# KiCad board Sandy_Base.kicad_pcb (continued)
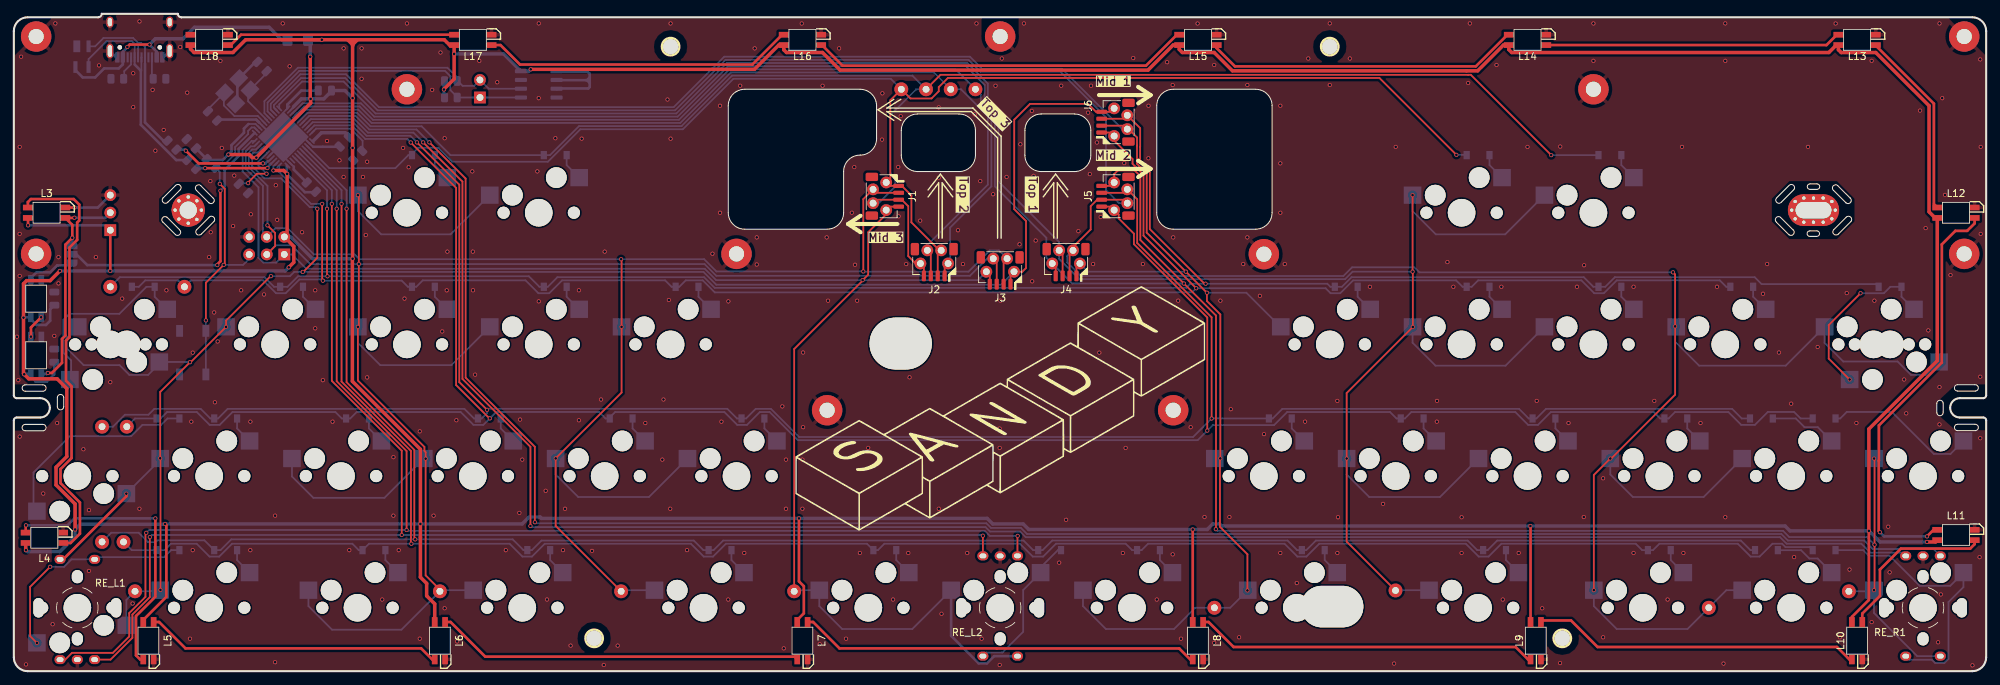
[diagram p0: board, top side]
## Nets
+5V: C1.2 C4.2 C5.2 C7.2 C8.2 C9.2 F1.1 J8.2 J10.1 L1.1 L2.1 L3.1 L4.1 L5.1 L6.1 L7.1 L8.1 L9.1 L10.1 L11.1 L12.1 L13.1 L14.1 L15.1 L16.1 L17.1 L18.1 R5.1 R8.1 R9.1 U1.2 U1.7 U1.14 U1.24 U1.34 U1.44 U2.8
GND: C1.1 C2.2 C3.2 C4.1 C5.1 C6.2 C7.1 C8.1 C9.1 D99.1 H6.1 H7.1 H8.1 H9.1 H10.1 H11.1 H12.1 H13.1 H14.1 H40.1 H41.1 J7.A1 J7.A12 J7.B1 J7.B12 J7.S1 J8.6 J10.3 L1.3 L2.3 L3.3 L4.3 L5.3 L6.3 L7.3 L8.3 L9.3 L10.3 L11.3 L12.3 L13.3 L14.3 L15.3 L16.3 L17.3 L18.3 R1.1 R2.1 R6.1 RE_L1.C RE_L2.C RE_R1.C ResetSW1.1 U1.5 U1.15 U1.23 U1.35 U1.43 U1.45 U2.1 U2.2 U2.3 U2.4 U2.7 Y1.2 Y1.4
VCC: D99.4 F1.2 J7.A4 J7.A9 J7.B4 J7.B9
col5: EXT_C5.1 J4.3 SW_<1.1 SW_I1.1 SW_K1.1 SW_L1.1 SW_M1.1 SW_O1.1 SW_RALT1.25u1.1 U1.22
col6: EXT_C6.1 J4.2 J5.2 SW_;1.1 SW_>1.1 SW_DOWN1.1 SW_ENT1.5u1.1 SW_ENT1.25u1.1 SW_ROPT1.25u1.1 SW_UP1.1 U1.21
D+: R3.1 U1.4
D-: R4.1 U1.3
LED: JP1.2 U1.12
MISO: EXT_C3.1 J1.4 J3.4 J8.1 RE_L2.S1 SW_CenterC1u1.1 SW_CenterL1u2.1 U1.11
MOSI: EXT_C2.1 J1.2 J3.2 J8.4 SW_C1.1 SW_F1.1 SW_LSPC1.5u1.1 SW_V1.1 U1.10
RE_L1_1: EXT_C0.1 J3.1 J6.4 RE_L1.S1 SW_A1.1 SW_CAPS1u1.1 SW_CTL1.5u1.1 SW_CTL1.25u1.1 SW_L2-1u1.1 SW_LSFT1u1.1 SW_LSFT1u2.1 U1.8
RE_L1_2: D27.2 RE_L1.S2 SW_CAPS1u1.2
RE_L2_2: D32.2 SW_CenterL1u2.2
RE_L3_2: D33.2 RE_L2.S2 SW_CenterC1u1.2
RE_L_A: RE_L1.A RE_L2.A U1.39
RE_L_B: RE_L1.B RE_L2.B U1.40
RE_R1_1: EXT_C7.1 J4.4 J5.4 RE_R1.S1 SW_Fn1u1.1 SW_RIGHT1.1 U1.25
RE_R1_2: D39.2 RE_R1.S2 SW_RIGHT1.2
RE_R2_1: EXT_C4.1 J4.1 J6.2 SW_CenterR1u2.1 SW_J1.1 SW_N1.1 SW_RSPC1.5u1.1 U1.20
RE_R2_2: D34.2 SW_CenterR1u2.2
RE_R_A: RE_R1.A U1.29
RE_R_B: RE_R1.B U1.30
RESET: J8.5 R5.2 ResetSW1.2 U1.13
row0: EXT_R0.1 J2.1 U1.26
row1: D1.1 D3.1 EXT_R1.1 J1.1 J2.2 U1.36
row2: D5.1 D7.1 D9.1 D11.1 D13.1 EXT_R2.1 J6.1 U1.1
row3: D15.1 D17.1 D19.1 D22.1 D24.1 D26.1 EXT_R3.1 J5.1 U1.32
row4: D27.1 D29.1 D32.1 D34.1 D37.1 D39.1 EXT_R4.1 U1.38
row5: EXT_R5.1 J2.3 U1.27
row6: D2.1 D4.1 EXT_R6.1 J1.3 J2.4 U1.28
row7: D6.1 D8.1 D10.1 D12.1 D14.1 EXT_R7.1 J6.3 U1.41
row8: D16.1 D18.1 D20.1 D21.1 D23.1 D25.1 EXT_R8.1 J5.3 U1.31
row9: D28.1 D30.1 D31.1 D33.1 D35.1 D36.1 D38.1 EXT_R9.1 U1.37
SCK: EXT_C1.1 J3.3 J8.3 SW_D1.1 SW_E1.1 SW_LALT1.25u1.1 SW_LWIN1.25u1.1 SW_S1.1 SW_W1.1 SW_X1.1 SW_Z1.1 U1.9
SCL: J9.2 R9.2 U1.18 U2.6
SDA: J9.1 R8.2 U1.19 U2.5
Net-(D1-A): D1.2 SW_W1.2
Net-(D2-A): D2.2 SW_E1.2
Net-(D3-A): D3.2 SW_I1.2
Net-(D4-A): D4.2 SW_O1.2
Net-(D5-A): D5.2 SW_CTL1.5u1.2 SW_CTL1.25u1.2
Net-(D6-A): D6.2 SW_A1.2
Net-(D7-A): D7.2 SW_S1.2
Net-(D8-A): D8.2 SW_D1.2
Net-(D9-A): D9.2 SW_F1.2
Net-(D10-A): D10.2 SW_J1.2
Net-(D11-A): D11.2 SW_K1.2
Net-(D12-A): D12.2 SW_L1.2
Net-(D13-A): D13.2 SW_;1.2
Net-(D14-A): D14.2 SW_ENT1.5u1.2 SW_ENT1.25u1.2
Net-(D15-A): D15.2 SW_LSFT1u1.2
Net-(D16-A): D16.2 SW_LSFT1u2.2
Net-(D17-A): D17.2 SW_Z1.2
Net-(D18-A): D18.2 SW_X1.2
Net-(D19-A): D19.2 SW_C1.2
Net-(D20-A): D20.2 SW_V1.2
Net-(D21-A): D21.2 SW_N1.2
Net-(D22-A): D22.2 SW_M1.2
Net-(D23-A): D23.2 SW_<1.2
Net-(D24-A): D24.2 SW_>1.2
Net-(D25-A): D25.2 SW_UP1.2
Net-(D26-A): D26.2 SW_Fn1u1.2
Net-(D28-A): D28.2 SW_L2-1u1.2
Net-(D29-A): D29.2 SW_LWIN1.25u1.2
Net-(D30-A): D30.2 SW_LALT1.25u1.2
Net-(D31-A): D31.2 SW_LSPC1.5u1.2
Net-(D35-A): D35.2 SW_RSPC1.5u1.2
Net-(D36-A): D36.2 SW_RALT1.25u1.2
Net-(D37-A): D37.2 SW_ROPT1.25u1.2
Net-(D38-A): D38.2 SW_DOWN1.2
Net-(D99-I/O1): D99.2 J7.A6 J7.B6 R3.2
Net-(D99-I/O2): D99.3 J7.A7 J7.B7 R4.2
Net-(J7-CC1): J7.A5 R2.2
Net-(J7-CC2): J7.B5 R1.2
Net-(J10-Pin_2): J10.2 JP1.3 L2.2 L3.4
Net-(JP1-A): JP1.1 L1.4
Net-(L1-DOUT): L1.2 L2.4
Net-(L3-DOUT): L3.2 L4.4
Net-(L4-DOUT): L4.2 L5.4
Net-(L5-DOUT): L5.2 L6.4
Net-(L6-DOUT): L6.2 L7.4
Net-(L7-DOUT): L7.2 L8.4
Net-(L8-DOUT): L8.2 L9.4
Net-(L10-DIN): L9.2 L10.4
Net-(L10-DOUT): L10.2 L11.4
Net-(L11-DOUT): L11.2 L12.4
Net-(L12-DOUT): L12.2 L13.4
Net-(L13-DOUT): L13.2 L14.4
Net-(L14-DOUT): L14.2 L15.4
Net-(L15-DOUT): L15.2 L16.4
Net-(L16-DOUT): L16.2 L17.4
Net-(L17-DOUT): L17.2 L18.4
Net-(U1-UCAP): C6.1 U1.6
Net-(U1-XTAL1): C2.1 U1.17 Y1.1
Net-(U1-XTAL2): C3.1 U1.16 Y1.3
Net-(U1-~{HWB}/PE2): R6.2 U1.33

Pads without a net: J1 MP; J2 MP; J3 MP; J4 MP; J5 MP; J6 MP; J7 A8 B8; L18 2; REF** 1; U1 42

## Via types
v1: diameter 0.6, hole 0.4, Top to Bottom, 452 vias

## Routing (per net, layer and track width the routed paths; a pad name or vN(x,y) marks a point on that pad's centre or on a via; arc(x,y) is an arc through that point)
+5V: length 1001
  Top w0.381: L8.1 v1(170.35,20.5) ; L10.1 265.6,7.85 268.05,10.3 v1(268.05,20.3) ; v1(219.15,21) 219.17,20.98 L9.1 ; L3.1 2.05,65.56 v1(2.05,64.5) ; v1(21.85,21.3) 22.04,21.11 22.04,10.75 18.7,7.42 L5.1 ; v1(113.45,22.1) 113.45,13 114.15,12.3 114.15,8.37 113.2,7.42 L7.1 ; 35,74.3 v1(35.05,74.3) ; J10.1 v1(13.94,57.9)
  Top w0.5: 35,74.3 42.89,82.19 v1(42.89,82.8) 42.83,82.86 v1(42.83,88.9) ; L6.1 60.81,9.74 59.65,10.9 59.65,12.7 58.75,13.6 58.75,19.37 v1(58.75,21.3) 58.75,32.1 48.92,41.93 48.92,59.64 v1(48.95,59.67) 48.95,59.67 v1(48.95,75.7) v1(48.95,82.9) 48.95,90.5 ; v1(74.69,87.07) 107.02,87.07 110.53,90.58 L16.1 111.25,89.9 111.65,89.5 116.85,89.5 119.39,86.96 163.89,86.96 167.51,90.58 L15.1 168.4,89.95 168.85,89.5 173.45,89.5 176.09,86.86 209.92,86.86 211.52,86.86 215.24,90.58 L14.1 216.03,89.93 216.45,89.5 262.27,89.5 263.34,90.58 L13.1 263.65,89.9 264.05,89.5 269.05,89.5 276.75,81.8 276.75,66.46 277.63,65.57 L12.1 277.94,44.92 268.05,35.03 v1(268.05,20.3) ; v1(6.65,57.9) 5.25,56.5 1.85,56.5 1.4,56.05 v1(1.4,51.15) 1.4,43.05 v1(1.5,42.95) 2.15,42.3 6.25,42.3 7.65,40.9 7.65,31.05 6.1,29.5 6.1,26.94 8.85,24.19 v1(8.85,20.5) ; 48.95,90.5 48.95,91.35 ; 48.95,90.5 48.95,90.65 ; 49.65,91.35 62.2,91.35 62.97,90.58 L17.1 v1(63.63,89.3) 63.63,85.67 62.15,84.2 v1(62.15,84.15) ; 49.65,91.35 48.95,91.35 ; 49.65,91.35 48.95,90.65 ; v1(35.05,74.3) 34.45,74.3 34,74.75 v1(31,74.75) ; 48.95,91.35 48.25,91.35 ; v1(37.51,72.44) 39,72.44 v1(39.5,71.95) 39.5,63.24 J8.2 40.45,61.46 40.45,59.15 v1(39.73,58.42) ; v1(1.75,17.5) 1.71,17.54 L4.1 ; 48.95,90.65 48.25,91.35 ; 48.25,91.35 v1(44.5,91.35) 33.5,91.35 31.65,89.5 26.05,89.5 25.53,90.03 L18.1 ; L11.1 277.68,18.7 v1(276.45,18.7)
  Bottom w0.254: v1(37.51,72.44) 37.51,73.03 37.99,73.51 U1.2 ; U1.7 35.24,74.3 v1(35.05,74.3) ; 33.85,79.16 34.93,79.16 35.49,78.59 U1.14 ; U1.24 40.36,81.54
  Bottom w0.381: v1(2.05,64.5) 13.24,64.5 J10.1 ; v1(1.5,42.95) 1.55,43 L2.1 2.47,42.59 3.17,41.89 4.78,41.89 5.85,42.97 C9.2 ; 43.72,69.3 42.05,69.3 39.5,71.85 v1(39.5,71.95) 39.45,71.99 39.45,73.1 ; 62.15,82.99 v1(62.15,84.15) 62.15,85.37 ; v1(1.4,51.15) 1.45,51.2 L1.1 2.47,50.89 3.28,50.09 4.64,50.09 5.25,50.7 5.25,52.35 C8.2 ; 40.36,81.54 40.36,81.61 40.45,81.7 ; C1.2 27.85,74.1 R5.1 27.99,73.95 30.2,73.95 31,74.75 v1(31,74.75) 31.45,75.19 31.45,76.1 33.25,77.9 33.25,78.5 33.91,79.16
  Bottom w0.5: v1(63.63,89.3) 70.78,89.3 U2.8 74.43,86.8 v1(74.69,87.07) ; J8.2 40,62.83 43.16,59.67 v1(48.95,59.67) ; v1(1.75,17.5) 1.95,17.3 6.65,17.3 8.85,19.5 v1(8.85,20.5) 9.61,21.26 21.81,21.26 v1(21.85,21.3) v1(58.75,21.3) 73.45,21.3 74.45,22.3 76.05,22.3 76.25,22.1 v1(113.45,22.1) 140.65,22.1 141.45,21.3 145.85,21.3 146.65,20.5 v1(170.35,20.5) 172.45,20.5 173.25,21.3 174.25,21.3 174.55,21 v1(219.15,21) 255.95,21 256.65,20.3 v1(268.05,20.3) 269.65,18.7 v1(276.45,18.7) ; 43.25,76.7 44.45,77.9 47.88,77.9 48.95,76.83 v1(48.95,75.7) ; v1(6.65,57.9) 39.2,57.9 v1(39.73,58.42) ; 40.45,81.7 41.55,82.8 v1(42.89,82.8) 44.79,82.8 45.99,84 47.85,84 v1(48.95,82.9) ; v1(42.83,88.9) 42.83,91.01 F1.1 44.48,91.33 v1(44.5,91.35)
GND: length 77.3
  Top w0.381: L3.3 v1(8.76,67.07)
  Bottom w0.2: 38.94,78.23 38.94,80.83 39.53,81.42
  Bottom w0.254: 43.25,75.87 42.77,76.35 U1.35 40.83,78.23 38.94,78.23 ; 38.94,78.23 38.94,74.47 U1.43 39.93,73.52 40.45,73 ; 38.94,78.23 38.94,76.59 U1.5 ; U1.45 37.53,77.29 U1.15 35.44,79.39
  Bottom w0.381: 83.22,85.1 83.22,85.9 ; 83.22,85.1 82.82,85.5 ; 83.22,85.1 83.22,84.51 83.01,84.3 78.54,84.3 78.43,84.18 ; 83.22,85.9 83.22,86.41 82.91,86.72 78.43,86.72 ; 83.22,85.9 82.82,85.5 ; 29.45,79.59 29.66,79.8 35.02,79.8 35.44,79.39 35.19,79.64 ; v1(8.76,67.07) 12.13,67.07 J10.3 ; 47.01,75.84 46.98,75.87 44.68,75.87 ; 43.91,84 41.55,84 39.52,81.97 39.52,81.44 ; J7.A12 21.61,88.81 J7.S1 ; Y1.2 32.3,82.28 32.3,85.54 Y1.4 34.97,88.2 35.13,88.2 ; 44.62,75.87 43.25,75.87 ; 82.82,85.5 78.47,85.5 ; 40.45,73 40.45,72.56 42.22,70.8 ; J7.A1 14.8,88.81 J7.S1
  vias: v1(0.45,48.39) v1(0.65,42.1) v1(0.84,75.85) v1(0.83,63.26) v1(0.84,57.18) v1(0.84,33.94) v1(1.05,88.9) v1(1.75,0.98) v1(4.25,25.7) v1(4.65,16.3) v1(5.6,6.79) v1(5.85,48.5) v1(6,93.71) v1(6.25,35.9) v1(6.45,59.9) v1(6.45,56.1) v1(10.05,32.1) v1(10.85,23.3) v1(10.85,14.5) v1(11.85,59.9) v1(12.31,87.64) v1(13.94,41.81) v1(15.65,53.9) v1(17.16,9.79) v1(17.25,86.5) v1(17.25,81.6) v1(18.15,94) v1(18.15,23.5) v1(20.05,84.1) v1(20.45,75.3) v1(21.65,78.3) v1(22.05,55.1) v1(24.05,90.3) v1(25.05,83.7) v1(25.45,4.7) v1(25.65,36.1) v1(25.85,46.08) v1(25.84,17.51) v1(28.23,59.9) v1(28.4,70.9) v1(28.45,63.5) v1(28.95,51.9) v1(29.05,38.9) v1(29.45,47.7) v1(29.85,88.3) v1(30.05,75.7) v1(31.68,64.4) v1(31.85,71.7) v1(32.85,55.1) v1(34.18,36.1) v1(34.18,17.51) v1(34.25,66.1) v1(36.15,54.5) v1(37.75,22.5) v1(37.75,1.3) v1(37.85,70.3) v1(38.05,65.3) v1(38.85,93.71) v1(39.85,87.5) v1(41.65,63.5) v1(43.55,55.1) v1(43.55,49.6) v1(44.65,42.1) v1(45.25,76.7) v1(46.05,36.1) v1(47.05,73.9) v1(47.65,90.1) v1(47.65,71.5) v1(48.47,17.51) v1(50.25,90.1) v1(50.25,85.7) v1(50.45,71.5) v1(50.85,63.1) v1(51.05,73.7) v1(51.05,42.5) v1(53.23,10.37) v1(54.85,30.97) v1(54.85,22.5) v1(55.61,17.51) v1(56.25,75.7) v1(56.45,53.9) v1(56.8,93.71) v1(57.05,72.9) v1(58.65,34.7) v1(58.65,4.7) v1(60.45,84.1) v1(60.65,22.5) v1(61.65,89.5) v1(61.9,49.15) v1(62.25,77.1) v1(62.25,9.1) v1(62.55,55.1) v1(62.65,60.7) v1(63.94,36.3) v1(64.05,4.3) v1(66.25,72.3) v1(66.33,60.7) v1(66.35,55.1) v1(66.65,42.9) v1(67.25,88.3) v1(69.85,85.2) v1(71.09,17.51) v1(73.05,22.9) v1(73.15,36.4) v1(73.47,30.61) v1(75.65,72.3) v1(75.85,93.71) v1(75.85,82.9) v1(75.85,53.5) v1(76.85,26.1) v1(77.04,10.37) v1(78.25,77.1) v1(79.35,17.51) v1(79.65,23.5) v1(80.45,3.7) v1(81.65,55.1) v1(81.65,36.3) v1(82.05,77.04) v1(83.55,17.4) v1(84.85,39.3) v1(85.25,0.9) v1(85.38,60.7) v1(87.25,3.7) v1(91.25,35.9) v1(93.71,30.61) v1(93.87,39.3) v1(94.45,82.7) v1(94.65,53.7) v1(94.9,93.71) v1(94.9,77.04) v1(94.85,23.5) v1(97.28,17.51) v1(100.95,60.4) v1(102.04,81.8) v1(102.04,66.32) v1(102.25,36.1) v1(103.25,53.5) v1(103.23,10.37) v1(104.96,84.7) v1(105.55,17.1) v1(107.05,90.1) v1(107.35,62.75) v1(107.35,58.83) v1(111.05,38.3) v1(111.25,3.3) v1(111.57,30.61) v1(111.57,23.5) v1(113.85,93.7) v1(113.95,30.61) v1(113.95,23.5) v1(114.05,46.1) v1(114.05,35.3) v1(116.45,3.9) v1(116.86,84.7) v1(117.45,62.75) v1(117.65,53.6) v1(119.25,90.1) v1(120.25,4.7) v1(121.09,66.32) v1(121.44,72.93) v1(121.55,58.8) v1(121.85,53.6) v1(122.25,17.1) v1(123.45,32.3) v1(125.45,76.9) v1(125.51,83.6) v1(127.05,10.37) v1(127.79,72.93) v1(127.85,65.8) v1(128.15,80.3) v1(128.95,58.9) v1(129.25,17.1) v1(129.43,42.51) v1(130.97,65.18) v1(133.65,81.56) v1(133.65,71.4) v1(133.65,23.5) v1(134.05,8.3) v1(136.43,63.78) v1(137.15,58.9) v1(137.76,17.1) v1(138.85,80.55) v1(139.1,93.71) v1(139.65,70.9) v1(139.85,4.7) v1(141.51,69) v1(141.85,84.7) v1(142.45,35.1) v1(142.45,32.3) v1(142.45,0.9) v1(142.55,53.6) v1(142.76,88.64) v1(143.45,71.5) v1(145.32,61.75) v1(145.45,76.23) v1(145.95,93.71) v1(147.1,81.06) v1(147.15,56.4) v1(147.35,71.66) v1(147.65,62.3) v1(151.05,15.7) v1(151.35,84.7) v1(152.05,21.9) v1(153.83,63.66) v1(155.23,80.8) v1(155.48,71.91) v1(155.65,84.7) v1(155.95,58.9) v1(156.5,76.48) v1(156.85,46.08) v1(157.05,65.7) v1(160.25,17.1) v1(160.45,73.5) v1(160.65,32.3) v1(161.75,88.7) v1(163.15,58.9) v1(163.96,81.8) v1(163.95,74.2) v1(165.15,10.37) v1(166.65,88.1) v1(167.45,84.8) v1(167.45,16.9) v1(167.53,62.75) v1(168.25,53.6) v1(168.65,4.7) v1(170.05,35.3) v1(171.05,93.7) v1(172.05,22.3) v1(173.45,87.7) v1(173.45,4.1) v1(174.35,53.6) v1(175.65,22.3) v1(175.85,37.9) v1(177.05,4.9) v1(177.65,58.9) v1(178.24,84.8) v1(178.24,62.75) v1(180.05,54.3) v1(180.65,34.3) v1(183.01,81.8) v1(183.01,73.47) v1(183.01,66.32) v1(183.01,17.1) v1(183.65,58.9) v1(185.39,12.75) v1(186.58,36.1) v1(187.05,88.64) v1(190.15,93.71) v1(190.15,84.8) v1(191.25,39.1) v1(191.25,17.1) v1(191.34,22.27) v1(193.05,88.64) v1(195.95,55.61) v1(197.85,24.2) v1(199.45,1.1) v1(199.68,75.85) v1(205.65,39.1) v1(205.63,36.1) v1(207.15,59.18) v1(208.01,55.61) v1(209.2,22.27) v1(209.2,17.1) v1(210.15,85.1) v1(210.39,93.71) v1(214.25,87.7) v1(214.95,55.61) v1(215.15,10.37) v1(217.45,17.1) v1(217.48,4.9) v1(218.73,75.85) v1(220.05,39.1) v1(220.85,9.1) v1(223.45,75.9) v1(223.42,1.17) v1(224.65,35.9) v1(225.87,55.61) v1(226.85,22.3) v1(226.91,58.73) v1(228.25,93.71) v1(228.25,88.3) v1(229.65,27.9) v1(229.65,4.9) v1(234.05,55.61) v1(234.05,17.1) v1(237.05,39.1) v1(238.97,10.37) v1(241.05,75.85) v1(241.25,17.1) v1(243.73,35.9) v1(246.11,55.61) v1(247.05,1.1) v1(247.3,93.71) v1(247.3,88.3) v1(247.3,22.27) v1(252.75,54.6) v1(253.35,58.9) v1(255.05,46.1) v1(256.83,38.7) v1(257.25,16.5) v1(259.25,75.85) v1(260.65,46.9) v1(263.25,93.7) v1(263.87,4.9) v1(264.85,54.7) v1(265.25,14.7) v1(266.25,35.9) v1(268.45,88.3) v1(268.45,7.1) v1(268.85,53.6) v1(270.85,20.9) v1(271.05,14.3) v1(273.15,42.2) v1(273.45,37.3) v1(275.45,81.1) v1(276.25,64.1) v1(276.65,49.3) v1(278.05,4.18) v1(278.26,93.71) v1(278.26,41.1) v1(278.25,35.7) v1(278.45,11.1) v1(278.65,82.9) v1(279.05,68.9) v1(279.85,57.3) v1(283.02,0.84) v1(284.05,16.5) v1(284.15,88.5) v1(284.15,42.6) v1(284.15,33.7) v1(284.21,75.85) v1(284.21,63.26)
VCC: length 38.7
  Top w0.381: v1(19.6,90.65) 16.75,90.65 v1(16.4,90.31)
  Bottom w0.381: J7.A9 20.65,89.61 v1(19.6,90.65) ; v1(16.4,90.31) 16.4,90.26 15.75,89.61 15.75,87.79 15.16,87.2 13.05,87.2 11.75,85.9 9.95,85.9 8.9,86.95 D99.4
  Bottom w0.5: F1.2 38.72,91.33 36.9,93.15 26.1,93.15 24.45,91.5 20.45,91.5 v1(19.6,90.65)
col5: length 340.9
  Top w0.254: J4.3 151.55,60.38 J4.3 ; v1(202.12,68.86) v1(202.12,57.8) 202.15,57.77 v1(202.15,49.8) 192.59,40.24 v1(192.59,30.76) 192.59,18.74 EXT_C5.1
  Bottom w0.254: U1.22 38.35,82 41.65,85.3 47.65,85.3 52.27,80.68 95.73,80.68 103.03,87.98 137.77,87.98 140.74,85.01 140.74,82.36 142.27,80.83 142.27,70.86 151.05,62.08 J4.3 151.05,59.65 153.99,56.71 192.36,56.71 193.45,57.8 v1(202.12,57.8) ; SW_K1.1 202.12,47.51 205.42,44.2 215.55,44.2 SW_L1.1 ; SW_RALT1.25u1.1 199.69,11.71 EXT_C5.1 ; v1(202.12,68.86) 202.12,66.56 205.48,63.2 215.5,63.2 SW_O1.1 ; SW_<1.1 206.08,25.2 195.85,25.2 192.59,28.46 v1(192.59,30.76)
col6: length 407
  Top w0.254: J4.2 152.55,60.38 J4.2 153.05,61.36 155.61,63.91 155.61,67.27 156.54,68.21 J5.2 160.39,68.21 J5.2 ; v1(239.75,57.7) 240.05,57.4 240.05,49.89 v1(240.06,49.88) 240.06,40.01 230.81,30.76 v1(230.69,30.76) 230.69,30.76 228.31,28.39 v1(228.31,11.71)
  Bottom w0.254: v1(230.69,30.76) 230.69,28.46 233.95,25.2 244.18,25.2 SW_UP1.1 ; J5.2 159.69,67.71 157.81,69.58 157.81,80.14 151.25,86.7 139.7,86.7 137.96,88.44 102.84,88.44 95.54,81.14 52.56,81.14 47.9,85.8 41.49,85.8 37.58,81.89 37.58,81.55 37.89,81.24 37.89,81.23 37.99,81.13 U1.21 ; SW_ENT1.5u1.1 278.16,44.73 276.29,42.86 274.15,42.86 272.2,44.8 264.36,44.8 261.65,47.51 SW_ENT1.25u1.1 256.03,44.2 243.52,44.2 240.06,47.67 v1(240.06,49.88) 240.12,49.81 SW_;1.1 ; v1(239.75,57.7) 203.11,57.7 202.38,58.43 193.38,58.43 192.12,57.17 154.18,57.17 152.2,59.15 152.2,60.03 J4.2 ; v1(228.31,11.71) 228.31,9.41 231.62,6.1 241.84,6.1 EXT_C6.1 247.46,11.71 SW_DOWN1.1
D+: length 15.4
  Top w0.381: v1(24.85,75.3) 26.69,73.46 v1(35.99,73.46)
  Bottom w0.2: 36.5,73.6 36.74,73.84 36.9,73.84 U1.4
  Bottom w0.254: 36.63,73.73 36.74,73.73 36.87,73.86
  Bottom w0.381: 36.63,73.73 36.36,73.46 v1(35.99,73.46) ; R3.1 24.7,75.45 v1(24.85,75.3)
D-: length 11.9
  Top w0.381: v1(36.64,72.79) 36.63,72.77 v1(27.65,72.77)
  Bottom w0.2: U1.3 37.62,73.87 37.18,73.42
  Bottom w0.381: R4.1 26.45,72.77 v1(27.65,72.77) ; v1(36.64,72.79) 36.64,72.89 37.18,73.42
LED: length 43
  Top w0.381: v1(29.4,58.75) 29.4,58.85 29.85,59.3 v1(29.85,69.5)
  Bottom w0.381: JP1.2 9.05,60.3 10.6,58.75 v1(29.4,58.75) ; 34.8,77.87 32.49,75.56 32.49,74.54 30.45,72.5 30.45,70.1 v1(29.85,69.5)
MISO: length 238.5
  Top w0.254: J3.4 141.03,57.29 J3.4 ; J1.4 126.56,67.21 J1.4 126.06,66.11 123.45,63.5 123.45,57.37 v1(122.65,56.57) 122.65,56.5 112.76,46.61 EXT_C3.1
  Bottom w0.254: U1.11 34.36,76.7 33.05,75.39 33.05,72.3 35.35,70 35.35,59.81 36.06,59.11 37.9,59.11 J8.1 40.19,60.29 42.26,58.22 99.84,58.22 101.49,56.57 v1(122.65,56.57) 139.3,56.57 J3.4 ; SW_CenterC1u1.1 129.83,6.1 119.7,6.1 116.39,9.41 SW_CenterL1u2.1 112.92,11.71 EXT_C3.1
  Bottom w0.381: RE_L2.S1 141.65,2.17 140.61,1.13 139.42,1.13 135.44,5.11 SW_CenterC1u1.1
MOSI: length 233.8
  Top w0.254: v1(87.75,59.6) 87.82,59.53 v1(87.82,49.81) 87.82,40.3 v1(78.29,30.78) 78.29,21.02 EXT_C2.1 ; J3.2 143.03,59.19 J3.2 ; J1.2 124.66,69.21 J1.2 122.75,68.3 v1(122.75,57.83)
  Bottom w0.254: EXT_C2.1 87.92,11.71 SW_LSPC1.5u1.1 ; SW_C1.1 v1(78.29,30.78) 78.29,28.46 81.55,25.2 91.78,25.2 SW_V1.1 ; J3.2 142.34,60.87 141.02,60.87 137.95,57.8 122.78,57.8 v1(122.75,57.83) 101.52,57.83 99.75,59.6 v1(87.75,59.6) 49.95,59.6 49.25,60.3 43.35,60.3 39.55,64.1 37.82,64.1 J8.4 35.99,63.38 35.99,70.22 33.51,72.7 33.51,75.2 34.24,75.93 34.75,75.93 U1.10
RE_L1_1: length 283.2
  Top w0.254: J3.1 144.03,57.29 J3.1 145.73,57.79 146.26,58.32 146.26,65.13 144.56,66.83 144.56,79.79 146.84,82.07 155.23,82.07 156.38,80.92 J6.4 158.49,80.92 J6.4 ; v1(37.15,57.15) 37.1,57.15 30.67,50.71 v1(30.67,49.81) 25.55,44.7 v1(25.45,44.7) 21.15,40.4 v1(21.15,30.8) 21.19,30.76 v1(21.19,11.76) ; v1(41.75,57.76) 41.81,57.76 43.85,59.8 v1(43.85,66.9)
  Top w0.381: v1(16.26,25.68) 16.26,25.31 7.12,16.17 RE_L1.S1
  Bottom w0.254: U1.8 35.25,75.02 34.62,75.02 34.42,74.82 34.42,73.08 36.2,71.3 38.6,71.3 42.76,67.14 43.61,67.14 v1(43.85,66.9) ; SW_CTL1.5u1.1 25.42,44.73 v1(25.45,44.7) ; 21.15,44.61 19.4,42.86 16.69,42.86 15.27,44.28 10.08,44.28 7.61,46.76 7.61,48.19 SW_CTL1.25u1.1 ; SW_L2-1u1.1 20.98,11.56 EXT_C0.1 16.26,10.31 SW_CAPS1u1.1 ; v1(37.15,57.15) 39.9,57.15 40.51,57.76 v1(41.75,57.76) 99.65,57.76 101.5,55.91 142.65,55.91 J3.1 ; v1(16.26,25.68) 21.14,30.56 SW_LSFT1u2.1 21.15,30.75 v1(21.15,30.8)
RE_L1_2: length 32.3
  Top w0.254: v1(5.25,15.1) 2.35,12.2 2.35,5.08 v1(3.33,4.09)
  Bottom w0.254: D27.2 22.74,17.51 21.73,16.5 12,16.5 RE_L1.S2 8.32,16.17 7.25,15.1 v1(5.25,15.1)
RE_L2_2: length 4
  Bottom w0.254: D32.2 127.51,16.07 SW_CenterL1u2.2
RE_L3_2: length 21.6
  Bottom w0.254: D33.2 150.86,17.51 148.37,15.02 SW_CenterC1u1.2 145.85,11.74 145.85,5.7 142.85,2.7 140.55,2.7 RE_L2.S2
RE_L_A: length 217.6
  Top w0.254: RE_L2.A 145.03,19.55 v1(145.05,19.57) ; RE_L1.A 7.43,1.67 8.41,2.65 14.3,2.65 16.67,5.02 16.67,8.4 19.02,10.75 19.02,19.9 v1(19.14,20.02) ; v1(56.75,20.43) 56.75,31.85 46.65,41.95 v1(46.65,66.9)
  Bottom w0.254: v1(145.05,19.57) 141.03,19.57 140.3,20.3 56.88,20.3 v1(56.75,20.43) 19.55,20.43 v1(19.14,20.02) ; v1(46.65,66.9) 46.65,69.59 U1.39
RE_L_B: length 207
  Top w0.254: v1(56.05,19.7) 56.05,31.9 45.95,42 v1(45.95,67.6) ; RE_L2.B v1(140.03,19.6) ; v1(19.65,19.4) 19.65,10.71 17.13,8.19 17.13,4.83 13.97,1.67 RE_L1.B
  Bottom w0.254: v1(45.95,67.6) 45.95,69.58 U1.40 ; v1(19.65,19.4) 19.95,19.7 v1(56.05,19.7) 139.92,19.7 v1(140.03,19.6)
RE_R1_1: length 355.2
  Top w0.254: J4.4 150.55,58.48 J4.4 ; v1(173.69,20.55) 173.71,20.57 173.71,51.45 v1(169.08,56.08) 162.78,62.38 162.78,71.62 161.96,72.44 159.52,72.44 158.99,71.91 J5.4 158.49,70.21 J5.4 ; v1(268.79,11.71) 268.87,11.79 v1(268.87,18.3) 268.87,30.7 v1(268.8,30.76)
  Bottom w0.254: RE_R1.S1 275.03,2.17 268.79,8.42 v1(268.79,11.71) 268.63,11.56 EXT_C7.1 ; v1(268.87,18.3) 267.77,19.4 256.55,19.4 255.65,20.3 173.94,20.3 v1(173.69,20.55) ; v1(169.08,56.08) 152.95,56.08 J4.4 149.2,59.83 149.2,62.7 141.76,70.13 141.76,80.69 140.28,82.17 140.28,84.82 137.58,87.53 103.22,87.53 95.92,80.23 52.08,80.23 50.15,82.15 41.72,82.15 40.29,80.72 U1.25
RE_R1_2: length 41.6
  Bottom w0.254: RE_R1.S2 273.9,1.65 277.15,1.65 277.62,1.18 278.95,1.18 279.55,1.78 279.55,10 281.72,12.17 SW_RIGHT1.2 279.81,12.35 275.39,12.35 274.7,13.04 274.7,13.05 271.05,16.7 268.05,16.7 267.24,17.51 D39.2
RE_R2_1: length 275.5
  Top w0.254: J6.2 160.39,78.92 J6.2 161.09,78.42 162.3,77.21 162.3,76.03 162.29,76.03 162.29,73.41 163.69,72.01 163.69,63.46 v1(172.4,54.75) 172.4,53.55 174.34,51.61 v1(174.34,30.78) 174.28,30.72 174.28,20.88 178.25,16.91 v1(178.25,11.68) ; J4.1 153.55,58.48 J4.1
  Bottom w0.254: v1(169.35,57.8) 155.23,57.8 J4.1 ; v1(178.25,11.68) 178.25,11.67 175.76,9.17 EXT_C4.1 170.73,9.17 167.65,6.1 157.8,6.1 154.49,9.41 SW_CenterR1u2.1 ; U1.20 37.12,81.24 37.12,82.08 41.4,86.36 47.99,86.36 52.75,81.6 95.35,81.6 102.65,88.9 138.15,88.9 139.89,87.16 151.44,87.16 160.17,78.42 J6.2 ; v1(172.4,54.75) 178.1,54.75 183.04,49.81 SW_J1.1 ; v1(174.34,30.78) 173.55,30.78 SW_N1.1
RE_R2_2: length 4
  Bottom w0.254: SW_CenterR1u2.2 165.61,16.07 D34.2
RE_R_A: length 286.8
  Top w0.254: v1(60.05,76.5) 65.28,71.27 65.28,42.47 75.28,32.47 75.28,21.55 v1(75.29,21.55)
  Bottom w0.254: v1(60.05,76.5) 58.18,78.37 51.35,78.37 49.4,80.32 42.68,80.32 U1.29 ; RE_R1.A 277.38,17.67 268.61,17.67 267.38,18.9 256.35,18.9 255.41,19.84 146.41,19.84 145.53,20.72 141.21,20.72 140.53,21.4 75.44,21.4 v1(75.29,21.55)
RE_R_B: length 281.4
  Top w0.254: v1(74.65,21) 74.65,32.45 64.83,42.28 64.83,70.82 v1(59.15,76.5)
  Bottom w0.254: RE_R1.B 272.89,17.16 268.25,17.16 266.96,18.44 256.16,18.44 255.22,19.39 146.22,19.39 145.4,20.2 141.05,20.2 140.41,20.84 74.81,20.84 v1(74.65,21) ; v1(59.15,76.5) 57.74,77.91 51.16,77.91 49.21,79.87 42.93,79.87 U1.30
RESET: length 45.7
  Top w0.254: v1(27.75,50.75) 27.75,56.2 v1(30.33,58.77) 30.48,58.93 30.48,69.78 v1(29.76,70.5)
  Bottom w0.254: ResetSW1.2 ResetSW1.2 v1(27.75,50.75) ; v1(30.33,58.77) 33.13,58.77 34,59.65 J8.5 ; U1.13 34.75,78.66 34.36,78.66 33.85,78.15 33.85,77.7 31.97,75.82 31.97,74.82 30.58,73.43 29.77,73.43 R5.2 29.76,72.19 v1(29.76,70.5)
row0: length 134.7
  Top w0.254: J2.1 134.5,58.48 J2.1
  Bottom w0.254: U1.26 41.92,81.69 49.96,81.69 51.89,79.77 96.11,79.77 103.41,87.07 136.07,87.07 EXT_R0.1 139.73,83.41 139.73,82.07 141.26,80.55 141.26,70.13 135.29,64.17 135.29,59.27 J2.1
row1: length 216
  Top w0.254: v1(208.45,74.7) 197.33,85.82 134.97,85.82 133.65,84.5 133.65,83.9 132.6,82.85 129.57,82.85 EXT_R1.1 126.65,82.6 126.65,71.3 J1.1 126.56,70.21 J1.1 128.31,70.21 129.7,68.82 129.7,64.93 133.74,60.88 J2.2 133.5,60.38 J2.2
  Bottom w0.254: D3.1 209.89,74.7 v1(208.45,74.7) ; U1.36 45.58,72.77 55.12,72.77 57.01,74.66 D1.1 57.53,74.81 58.42,75.7 61.35,75.7 63.35,73.7 77.16,73.7 81.86,78.4 96.67,78.4 103.97,85.7 126.72,85.7 EXT_R1.1
row2: length 290.8
  Top w0.254: v1(170.85,55.4) 163.24,63.01 163.24,71.82 161.65,73.41 161.65,74.1 158.99,76.76 J6.1 158.49,77.92 J6.1 ; v1(44.55,67.6) 44.55,56.6 v1(44.65,56.5)
  Bottom w0.254: v1(44.55,67.6) 42.95,67.6 38.35,72.2 U1.1 ; D5.1 18.06,55.61 18.99,56.54 23.72,56.54 EXT_R2.1 25.58,56.54 36.03,56.54 37.89,54.68 39.28,54.68 41.27,56.67 44.48,56.67 v1(44.65,56.5) 56.05,56.5 56.94,55.61 D7.1 58.16,55.61 59.09,56.54 73.94,56.54 75.8,54.68 77.36,54.68 79.22,56.54 94.11,56.54 95.04,55.61 D9.1 96.16,55.61 97.09,56.54 99.55,56.54 101.29,54.8 170.25,54.8 v1(170.85,55.4) 189.55,55.4 190.27,54.68 191.66,54.68 193.52,56.54 208.41,56.54 209.34,55.61 D11.1 210.66,55.61 211.59,56.54 226.51,56.54 228.37,54.68 229.76,54.68 231.62,56.54 246.51,56.54 247.44,55.61 D13.1
row3: length 359.3
  Top w0.254: v1(68.78,36.57) 68.73,36.57 63.91,41.39 63.91,69.92 v1(57.35,76.48) ; v1(172.45,34.8) 172.45,51.17 161.85,61.77 161.85,63.3 159.65,65.5 159.65,66.05 J5.1 158.49,67.21 J5.1
  Bottom w0.254: v1(57.35,76.48) 56.84,77 50.78,77 48.83,78.95 43.43,78.95 U1.32 ; EXT_R3.1 17.51,36.56 D15.1 21.21,36.56 22.14,37.49 26.44,37.49 28.3,35.63 29.74,35.63 31.6,37.49 46.46,37.49 47.39,36.56 D17.1 48.61,36.56 49.54,37.49 64.56,37.49 66.42,35.63 67.84,35.63 v1(68.78,36.57) 69.71,37.5 84.55,37.5 85.49,36.56 D19.1 86.11,36.71 86.89,37.49 102.67,37.49 104.53,35.63 105.94,35.63 107.8,37.49 109.21,37.49 113.28,33.42 171.07,33.42 v1(172.45,34.8) 173.25,35.6 182.11,35.6 184,37.49 198.86,37.49 199.79,36.56 D22.1 201.01,36.56 201.94,37.49 216.96,37.49 218.82,35.63 220.24,35.63 222.1,37.49 236.96,37.49 237.89,36.56 D24.1 239.11,36.56 240.04,37.49 247.75,37.49 249.61,35.63 251.58,35.63 253.45,37.5 257.25,37.5 258.19,36.56 D26.1
row4: length 322.6
  Top w0.254: v1(57.45,18.44) 57.37,18.52 57.37,19.32 57.38,19.34 57.38,31.86 47.35,41.89 v1(47.35,67.6)
  Bottom w0.254: EXT_R4.1 17.04,17.51 D27.1 21.76,17.51 22.69,18.44 26.41,18.44 28.27,16.58 29.67,16.58 31.53,18.44 48.91,18.44 49.84,17.51 D29.1 51.32,18.44 v1(57.45,18.44) 71.63,18.44 73.49,16.58 74.86,16.58 76.72,18.44 97.83,18.44 99.69,16.58 101.03,16.58 102.89,18.44 123.28,18.44 D32.1 124.86,17.51 125.79,18.44 145.38,18.44 147.24,16.58 148.73,16.58 150.59,18.44 160.66,18.44 161.59,17.51 D34.1 162.96,17.51 163.89,18.44 183.61,18.44 185.47,16.58 186.78,16.58 188.64,18.44 209.81,18.44 211.67,16.58 213.09,16.58 214.95,18.44 234.36,18.44 235.29,17.51 D37.1 236.86,17.51 237.79,18.44 249.11,18.44 250.97,16.58 252.26,16.58 254.12,18.44 255.51,18.44 255.99,17.96 259.49,17.96 D39.1 ; U1.38 47.35,69.59 v1(47.35,67.6)
row5: length 133.7
  Top w0.254: J2.3 132.5,60.38 J2.3
  Bottom w0.254: U1.27 42.18,81.24 49.78,81.24 51.7,79.31 96.29,79.31 103.59,86.61 132.95,86.61 EXT_R5.1 136.86,84.18 140.75,80.29 140.75,70.39 132,61.64 J2.3
row6: length 240.6
  Top w0.254: v1(222.15,74.66) 210.53,86.28 210.16,86.28 210.16,86.28 133.9,86.28 EXT_R6.1 ; J1.3 124.66,68.21 J1.3 128.31,68.21 129.24,67.28 129.24,60.05 130.31,58.98 J2.4 131.5,58.48 J2.4
  Bottom w0.254: J1.3 124.96,67.71 127.35,70.1 127.35,71.4 126.65,72.1 126.65,80.44 130.4,84.18 EXT_R6.1 129.84,86.16 103.78,86.16 96.48,78.86 81.67,78.86 77.47,74.66 D2.1 63.09,74.66 58.92,78.83 51.54,78.83 49.59,80.78 42.43,80.78 U1.28 ; D4.1 v1(222.15,74.66)
row7: length 314
  Top w0.254: v1(172.2,56.05) 172.05,56.05 164.15,63.95 164.15,72.2 162.75,73.6 162.75,75.84 162.76,75.84 162.76,78.56 J6.3 160.39,79.92 J6.3 ; v1(45.25,66.9) 45.25,57.2 v1(45.32,57.13)
  Bottom w0.254: v1(45.25,66.9) 45.25,69.57 U1.41 ; D14.1 269.07,56 252.55,56 251.55,57 231.35,57 229.96,55.61 D12.1 228.24,55.61 226.85,57 193.29,57 191.91,55.61 D10.1 190.24,55.61 189.8,56.05 v1(172.2,56.05) 170,56.05 169.4,55.45 101.28,55.45 99.73,57 78.55,57 77.16,55.61 D8.1 75.94,55.61 74.42,57.13 v1(45.32,57.13) 41.06,57.13 39.54,55.61 D6.1 37.6,55.61 36.21,57 15.32,57 EXT_R7.1
row8: length 350.4
  Top w0.254: v1(68.38,37.81) 64.37,41.82 64.37,70.38 v1(58.25,76.5) ; v1(173.08,36.56) 173.08,51.19 162.32,61.95 162.32,68.28 J5.3 160.39,69.21 J5.3
  Bottom w0.254: v1(58.25,76.5) 57.29,77.46 50.97,77.46 49.02,79.41 43.18,79.41 U1.31 ; D25.1 249.68,36.56 248.29,37.95 221.4,37.95 220.01,36.56 D23.1 218.89,36.56 217.5,37.95 183.3,37.95 181.91,36.56 D21.1 v1(173.08,36.56) 170.4,33.88 113.47,33.88 109.4,37.95 107.2,37.95 105.81,36.56 D20.1 104.49,36.56 103.09,37.96 68.53,37.96 v1(68.38,37.81) 68.38,37.33 67.61,36.56 D18.1 66.49,36.56 65.1,37.95 30.9,37.95 29.51,36.56 D16.1 28.39,36.56 27,37.95 20.3,37.95 19.45,37.1 16.05,37.1 14.32,35.37 EXT_R8.1
row9: length 310.9
  Top w0.254: v1(48.08,66.9) 48.08,41.81 57.87,32.02 57.87,19.2 v1(58,19.07)
  Bottom w0.254: U1.37 48.08,69.57 v1(48.08,66.9) ; EXT_R9.1 14.08,20.03 18.03,20.03 19.39,18.67 20.45,18.67 20.7,18.92 27.54,18.92 D28.1 29.86,17.51 31.42,19.07 72.08,19.07 73.64,17.51 D30.1 74.86,17.51 76.25,18.9 98.25,18.9 99.64,17.51 D31.1 101.11,17.51 102.5,18.9 145.9,18.9 147.29,17.51 D33.1 148.66,17.51 150.05,18.9 184.05,18.9 185.44,17.51 D35.1 186.76,17.51 188.15,18.9 210.08,18.9 211.47,17.51 D36.1 212.96,17.51 214.35,18.9 249.55,18.9 250.94,17.51 D38.1
SCK: length 298.9
  Top w0.254: v1(36.65,64.5) 37.75,63.4 37.75,61.49 J8.3 ; EXT_C1.1 61.56,11.81 59.5,13.87 v1(59.5,30.75) 59.5,31.69 59.33,31.86 59.33,32.44 49.71,42.05 v1(49.71,49.81) 49.85,49.95 49.85,68.73 v1(49.72,68.86) ; J3.3 142.03,59.19 J3.3
  Bottom w0.254: SW_Z1.1 40.19,28.17 43.28,25.08 53.55,25.08 SW_X1.1 59.26,30.75 v1(59.5,30.75) ; v1(49.72,68.86) 49.72,66.56 53.07,63.2 63.1,63.2 SW_E1.1 ; U1.9 35,75.47 34.43,75.47 33.96,75.01 33.96,72.89 36.65,70.2 v1(36.65,64.5) ; SW_LALT1.25u1.1 61.72,11.71 EXT_C1.1 56.01,6 45.98,6 42.57,9.41 SW_LWIN1.25u1.1 ; J3.3 140.64,59.69 138.15,57.2 101.5,57.2 99.8,58.9 v1(49.85,58.9) 42.83,58.9 40.13,61.6 37.86,61.6 J8.3 ; v1(49.71,49.81) 49.71,47.51 52.95,44.28 63.23,44.28 SW_D1.1
